# Altium PCB power_load.PcbDoc (part 1 of 2)
Units mm, origin at the board's own origin, x right, y up, seen from the top; angles counter-clockwise.
Board outline 130 x 130 mm, 2 copper layers (TOP, BOT), stack 1.67 mm thick; 142 components, 97 nets, 426 pads, 434 vias.
Unrouted connection lines stored in the file: 70.
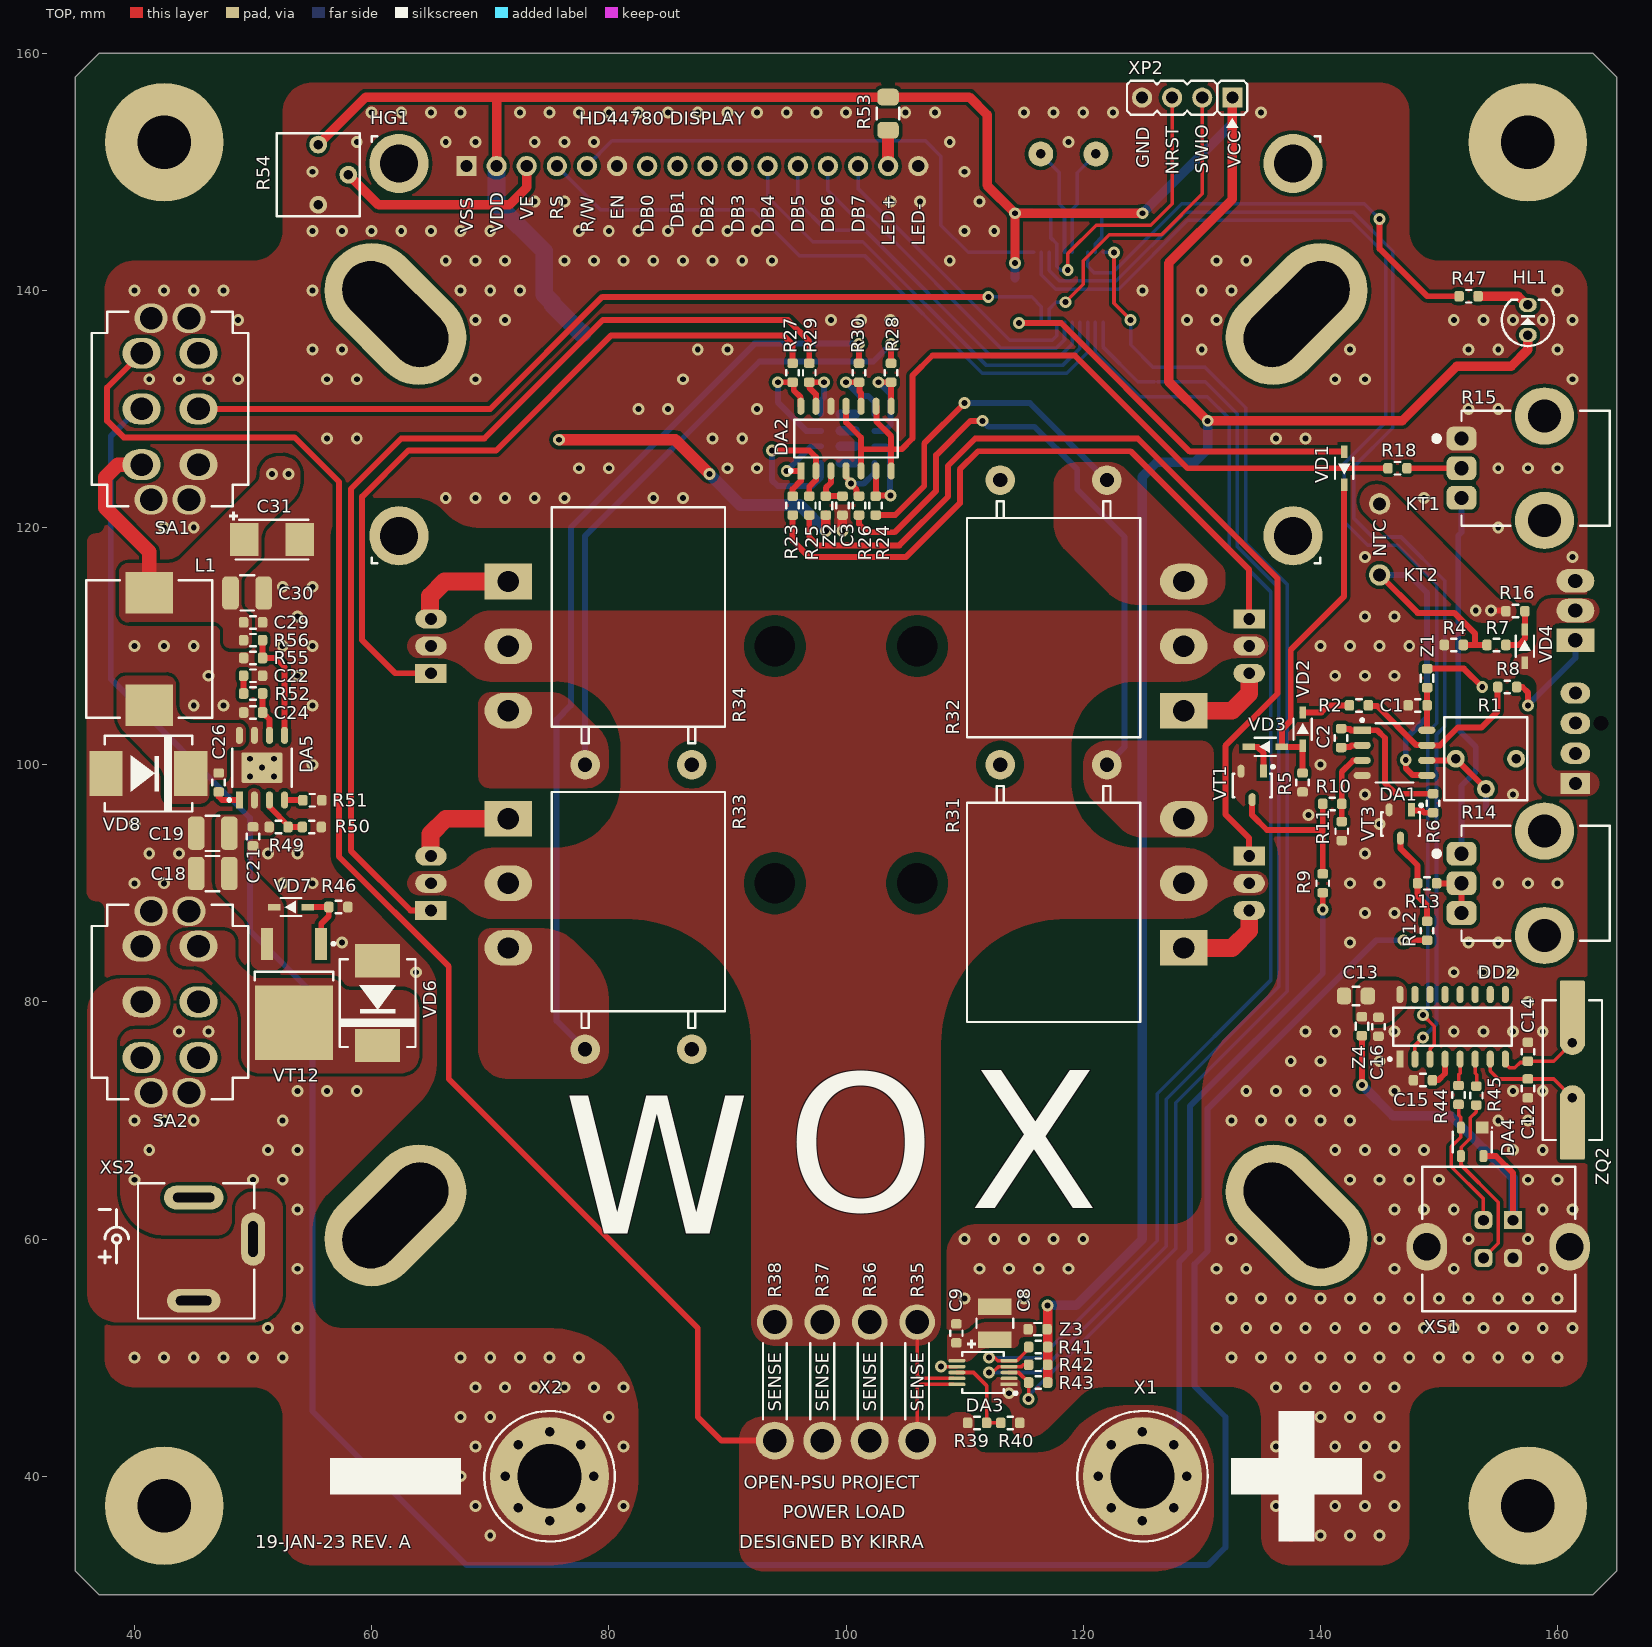
[diagram p0: TOP view]
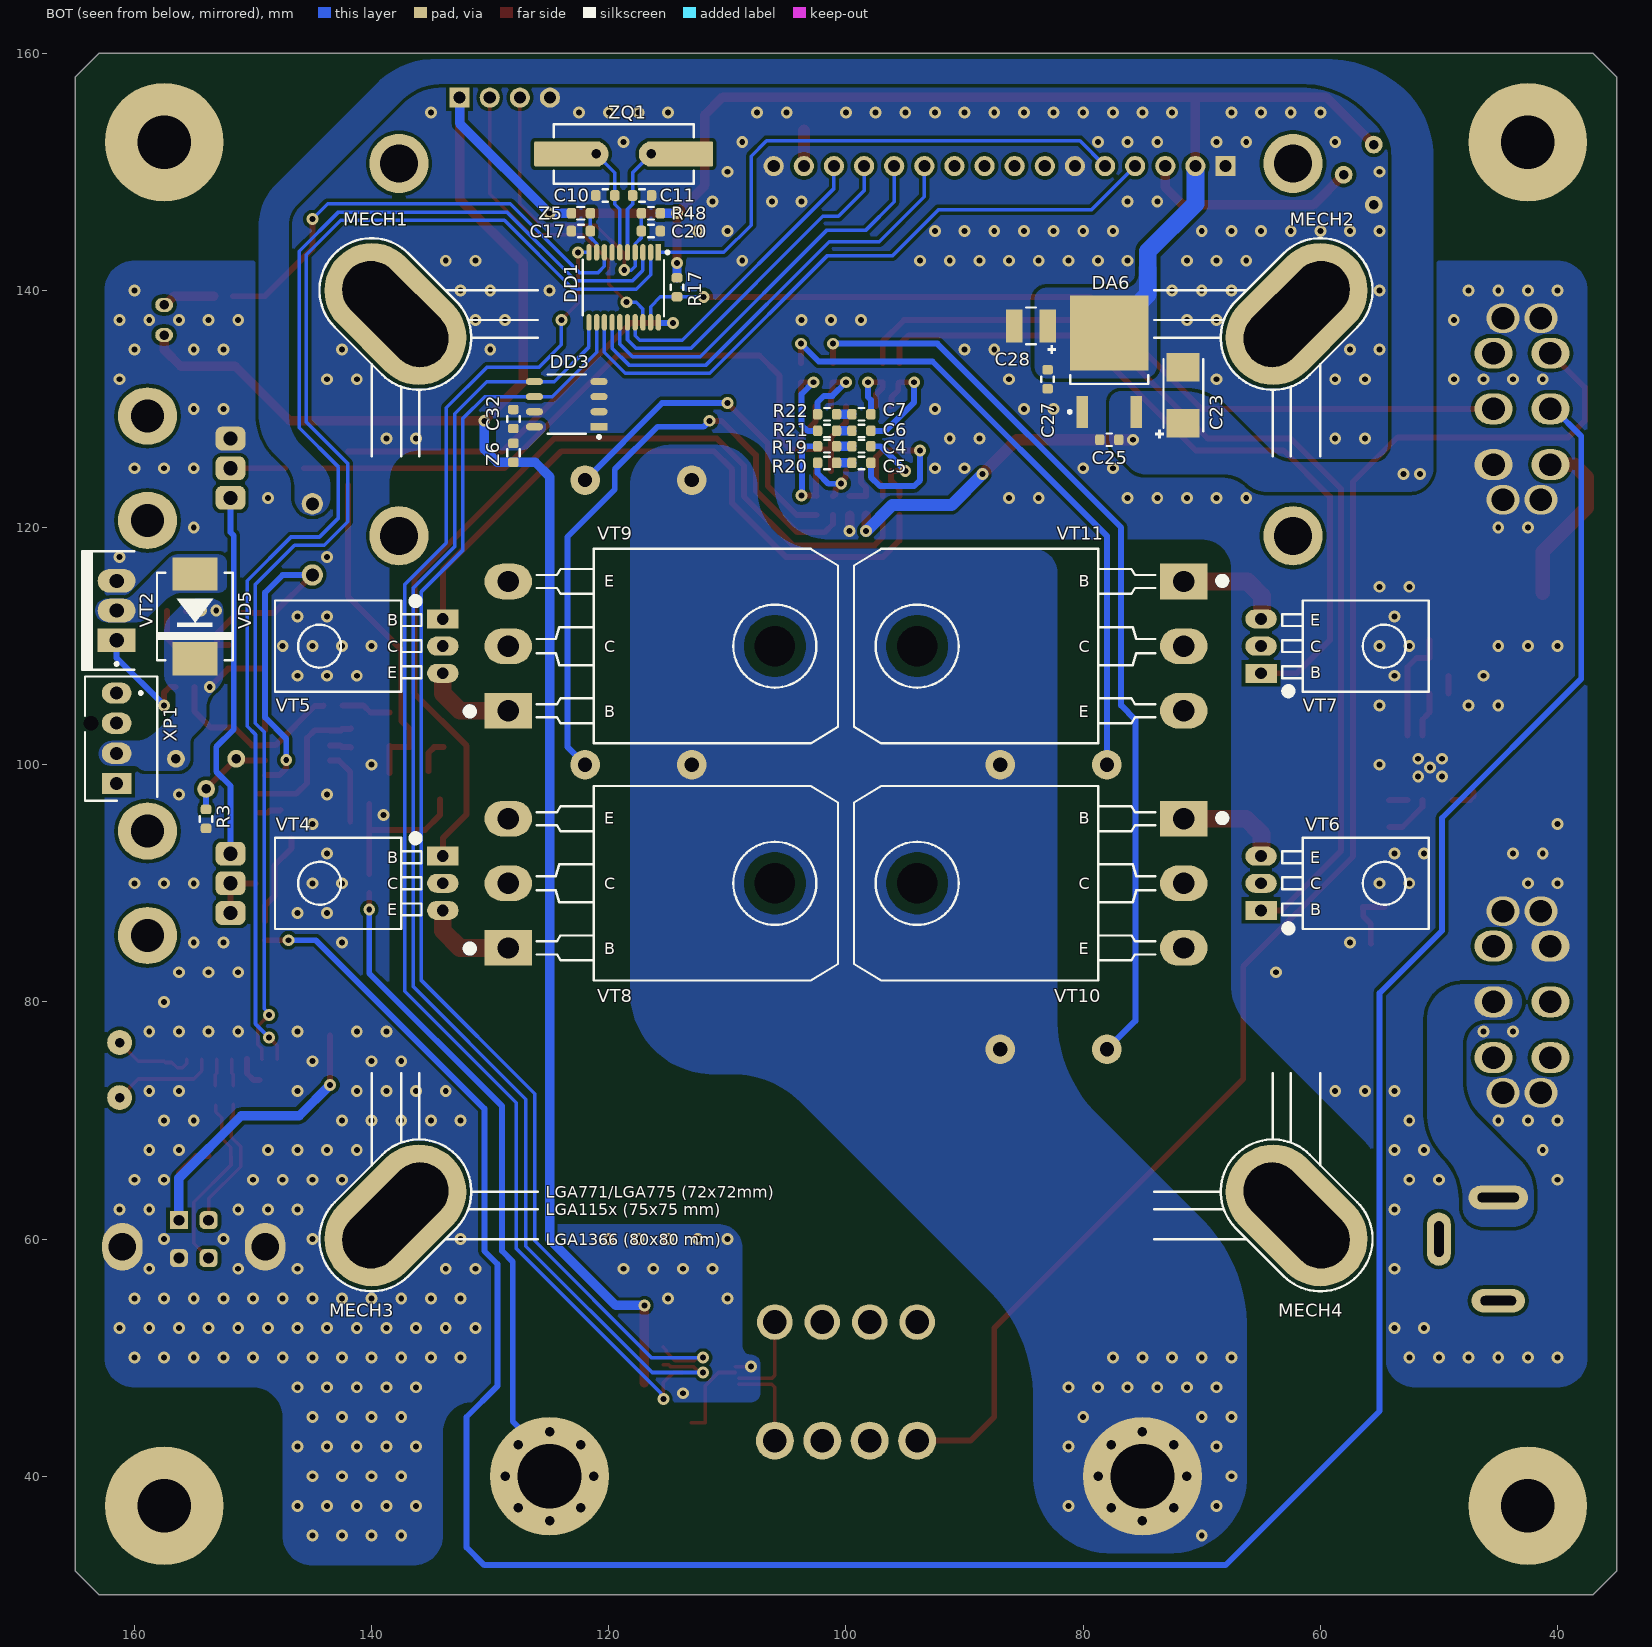
[diagram p1: BOT view, seen from below]
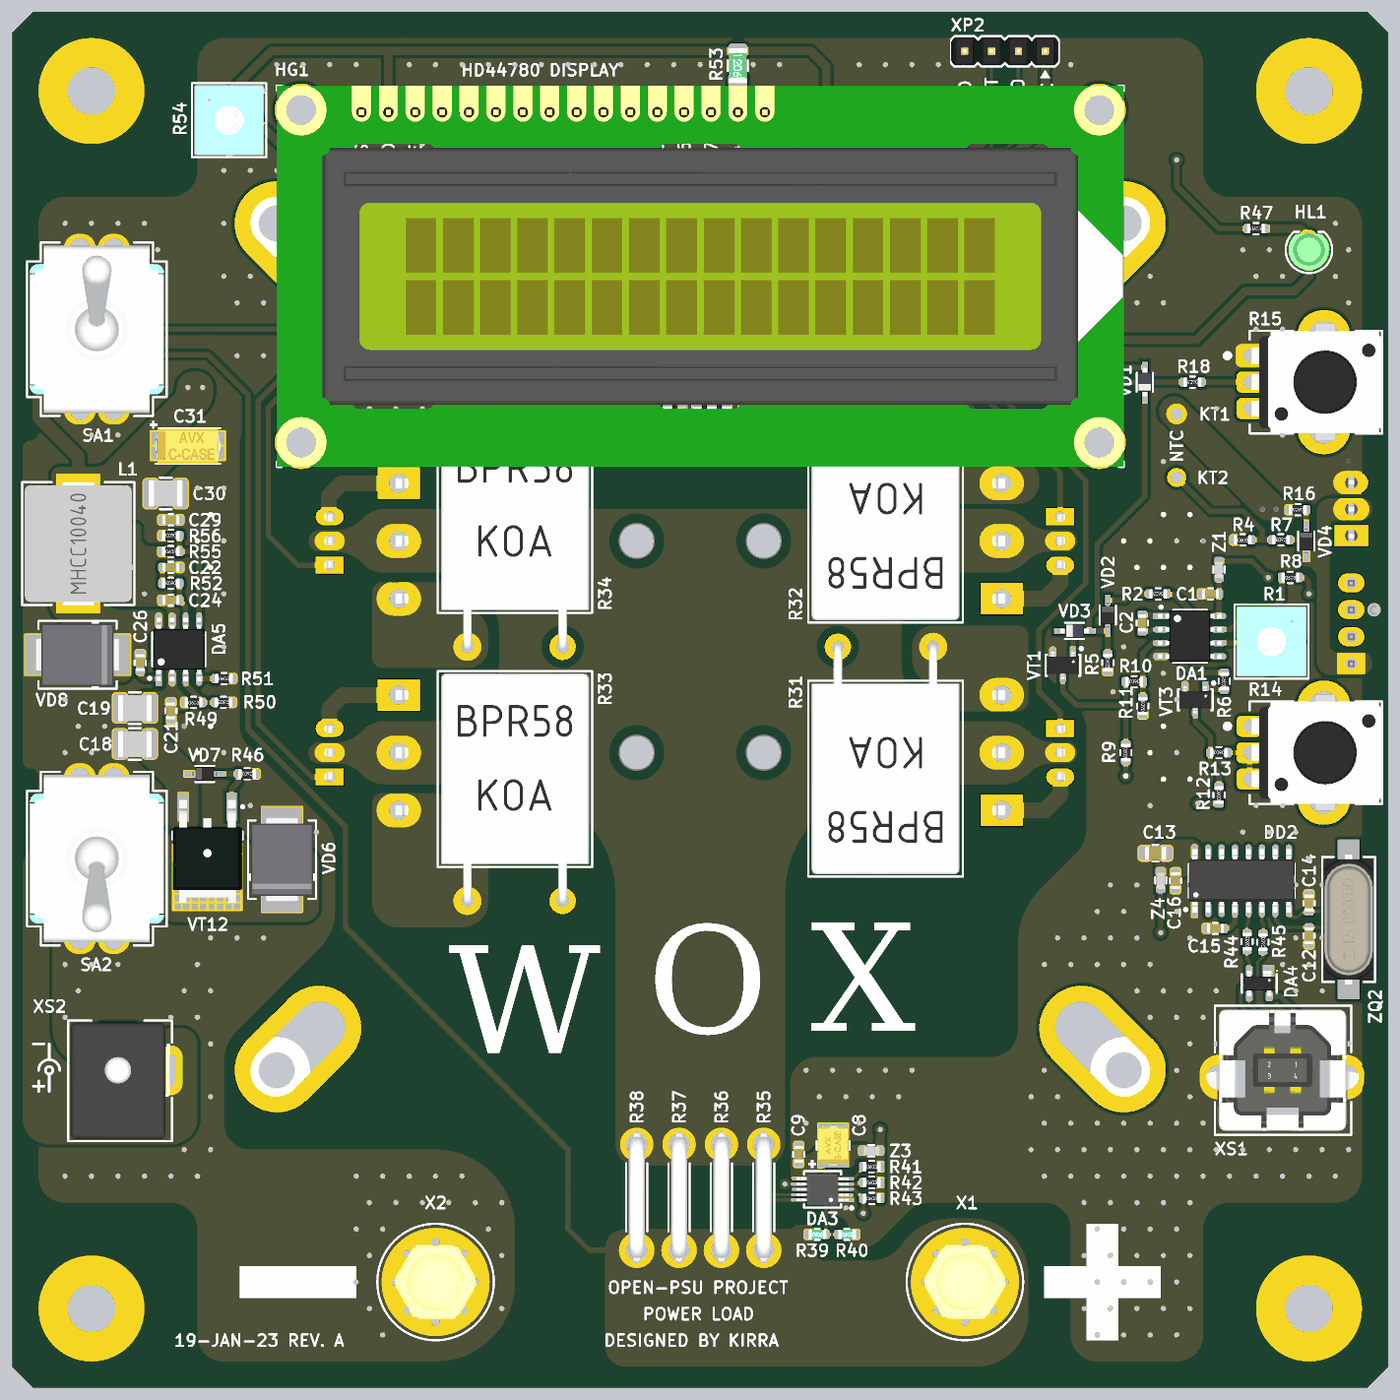
[diagram p3: 3D render of the assembled board from above, using the file's embedded part models]
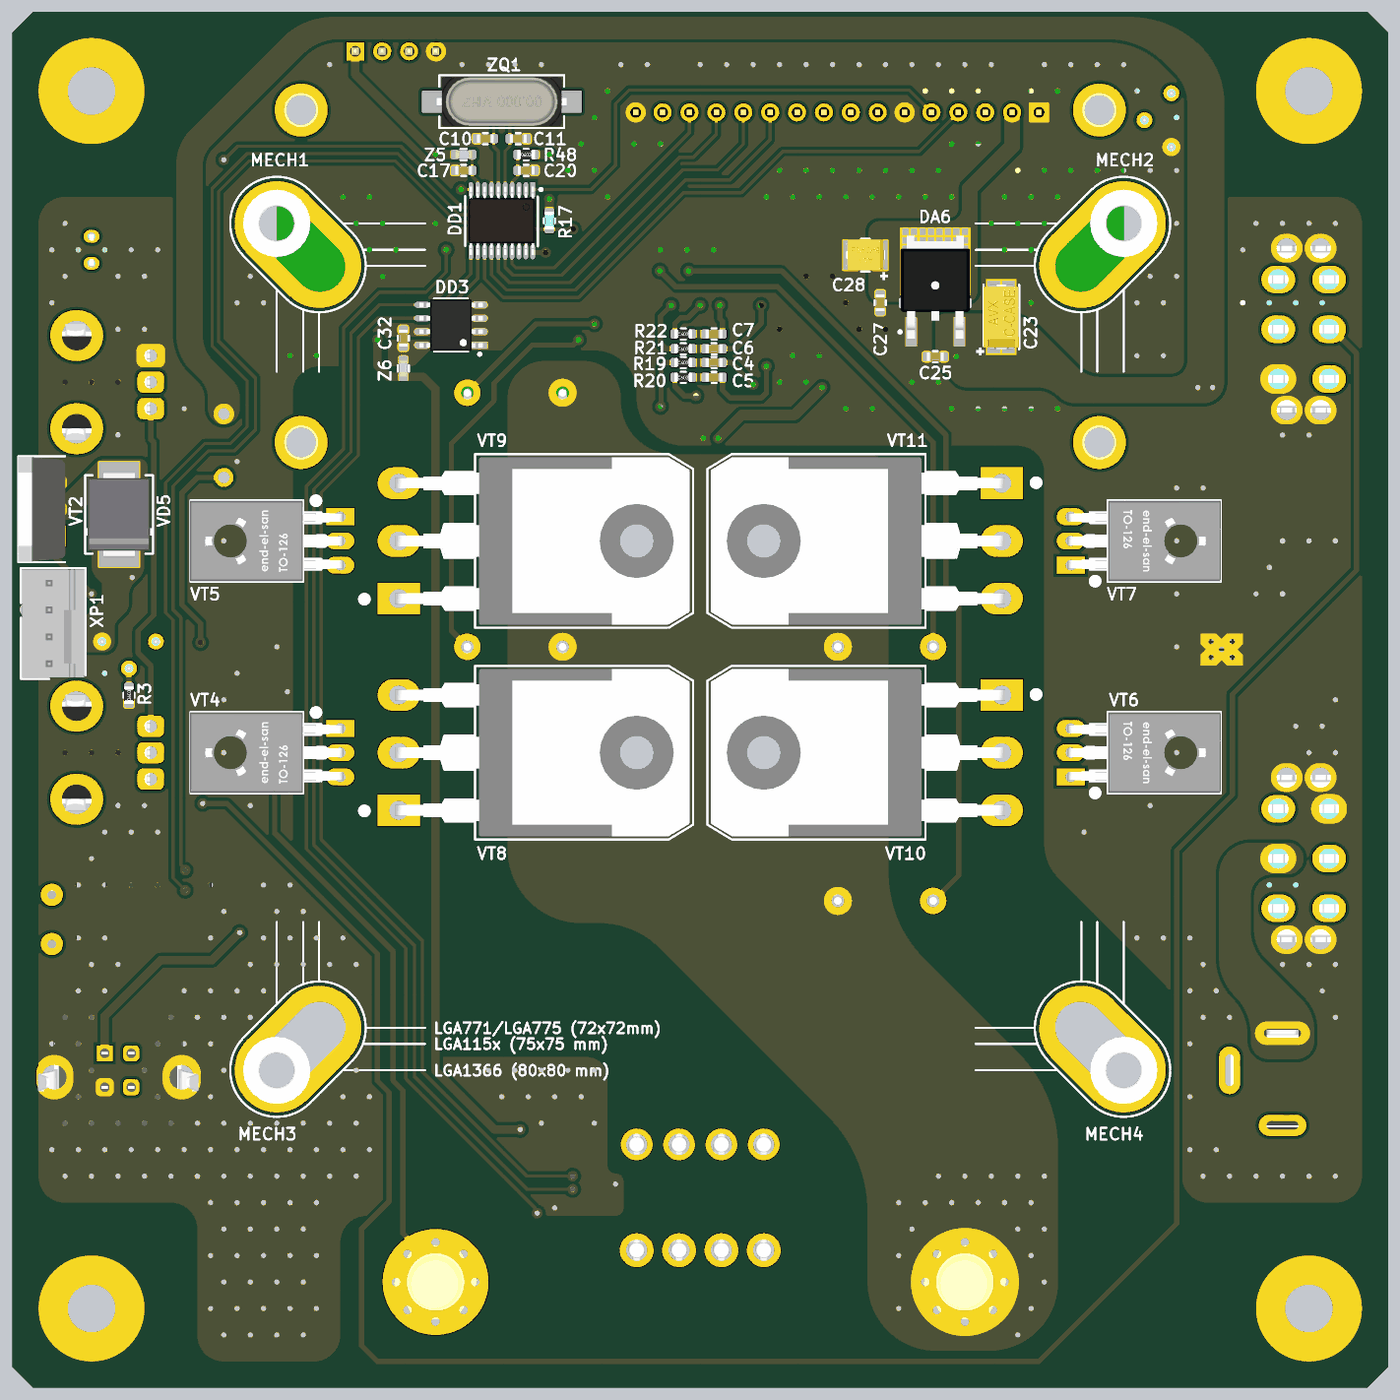
[diagram p4: 3D render of the assembled board from below, using the file's embedded part models]

## Layer stack, top to bottom
Top Solder: solder mask 0.025, Solder Resist, Dk 3.5
TOP: signal copper 0.035
Dielectric 1: dielectric 1.6, FR-4, Dk 4.8
BOT: signal copper 0.035
Bottom Solder: solder mask 0.025, Solder Resist, Dk 3.5

## Board outline
35,32 37,30 163,30 165,32 165,158 163,160 37,160 35,158

## Design rules (kind name [scope] priority, off if disabled: settings)
Clearance [All] p1: gap=0.2 ignorepadtopadclearanceinfootprint=FALSE except(0.3: Arc-Poly Track-Poly SMDPad-Poly THPad-Poly Via-Poly Fill-Poly Poly-Poly)
DiffPairsRouting [All] p1: maxlimit=0.254 minlimit=0.25 mostfreqgap=0.254 toplayer_minwidth=0.2 toplayer_maxwidth=0.381 toplayer_prefwidth=0.381 bottomlayer_minwidth=0.2 bottomlayer_maxwidth=0.381 bottomlayer_prefwidth=0.381 maxuncoupledlength=12.7
Height [All] p1: minheight=0 maxheight=40 prefheight=10
HoleSize [All] p1: absolutevalues=TRUE maxlimit=20 minlimit=0.3 maxpercent=80.000 minpercent=20.000
HoleToHoleClearance [All] p1: gap=0.25 allowstackedmicrovias=TRUE
MinimumSolderMaskSliver [All] p1: minsoldermaskwidth=0.1
PlaneClearance [All] p1: clearance=0.5
PlaneConnect [All] p1: planeconnectstyle=Direct reliefexpansion=0.508 reliefentries=4 reliefconductorwidth=0.254 reliefairgap=0.254
PolygonConnect [All] p1: connectstyle=Direct reliefconductorwidth=0.254 reliefentries=4 polygonreliefangle="90 Angle" airgapwidth=0.254
RoutingCorners [All] p1: cornerstyle=45-Degree minsetback=2.5 maxsetback=2.5
RoutingVias [All] p1: holewidth=0.5 width=1.2 viastyle="Through Hole" minholewidth=0.3 minwidth=0.7 maxholewidth=5 maxwidth=10
SilkToSilkClearance [All] p1: silktosilkclearance=0.1
SilkToSolderMaskClearance [IsPad] p1: minsilkscreentomaskgap=0.1 clearancetoexposedcopper=TRUE
SolderMaskExpansion [All] p1: expansion=0.1 istentingtop=FALSE
Width [All] p1: maxlimit=15 minlimit=0.2 preferedwidth=0.3 minimp=50.000000 maximp=50.000000 favimp=50.000000
20 further rules are at their usual default settings.

## Classes and differential pairs
component class power_load: C1 C2 C3 C4 C5 C6 C7 C8 C9 DA1 DA2 DA3 KT1 KT2 MECH1 MECH2 MECH3 MECH4 R1 R2 R3 R4 R5 R6 R7 R8 R9 R10 R11 R12 R13 R14 R15 R16 R17 R18 R19 R20 R21 R22 R23 R24 R25 R26 R27 R28 R29 R30 R31 R32 R33 R34 R35 R36 R37 R38 R39 R40 R41 R42 R43 SA1 VD1 VD2 VD3 VD4 VD5 VT1 VT2 VT3 VT4 VT5 VT6 VT7 VT8 VT9 VT10 VT11 X1 X2 XP1 Z1 Z2 Z3
component class mcu_and_input_power: C10 C11 C12 C13 C14 C15 C16 C17 C18 C19 C20 C21 C22 C23 C24 C25 C26 C27 C28 C29 C30 C31 C32 DA4 DA5 DA6 DD1 DD2 DD3 HG1 HL1 L1 R44 R45 R46 R47 R48 R49 R50 R51 R52 R53 R54 R55 R56 SA2 VD6 VD7 VD8 VT12 XP2 XS1 XS2 Z4 Z5 Z6 ZQ1 ZQ2

## Components (designator, comment, footprint, x,y, rotation, side; value= is the part's Value field where it differs from the comment)
C1 "0.1u" CAP0603 148.2,105 r180 top
C2 "0.1u" CAP0603 141.75,102.25 r270 top
C3 "0.1u" CAP0603 99.7,121.85 r270 top
C4 "0.1u" CAP0603 98.7,126.85 r0 bottom
C5 "0.1u" CAP0603 98.7,125.45 r0 bottom
C6 "0.1u" CAP0603 98.7,128.15 r0 bottom
C7 "0.1u" CAP0603 98.7,129.55 r0 bottom
C8 "100u" CAP_CASE_B 112.575,52.9 r90 top
C9 "0.1u" CAP0603 109.3,52.05 r90 top
C10 "16p" CAP0603 120.3,148 r0 bottom
C11 "16p" CAP0603 117.2,148 r180 bottom
C12 "16p" CAP0603 157.5,72.7 r90 top
C13 "10u" CAP0805-0.75 143,80.495 r180 top
C14 "16p" CAP0603 157.5,75.8 r270 top
C15 "0.1u" CAP0603 148.65,73.4 r180 top
C16 "0.1u" CAP0603 144.9,77.9 r270 top
C17 "0.1u" CAP0603 122.35,145 r180 bottom
C18 "10u" CAP1210-2.2 46.6,90.8 r0 top
C19 "10u" CAP1210-2.2 46.6,94.2 r0 top
C20 "0.1u" CAP0603 116.45,145 r0 bottom
C21 "0.1u" CAP0603 50,93.95 r90 top
C22 "750p" CAP0603 50,107.5 r180 top
C23 "33u" CAP_CASE_C 71.55,131.15 r90 bottom
C24 "6.8p" CAP0603 50,104.4 r0 top
C25 "0.1u" CAP0603 77.8,127.4 r180 bottom
C26 "0.1u" CAP0603 47.1,98.5 r270 top
C27 "0.1u" CAP0603 83,132.5 r90 bottom
C28 "100u" CAP_CASE_B 84.4,137.025 r0 bottom
C29 "0.1u" CAP0603 50,112 r180 top
C30 "10u" CAP1210-2.2 49.5,114.5 r180 top
C31 "33u" CAP_CASE_C 51.6,118.975 r0 top
C32 "0.1u" CAP0603 128.05,129.15 r90 bottom
DA1 "LM358M/NOPB" SOIC-8 146.25,101 r0 top
DA2 "LM339DR" SOIC-14 100,127.5 r90 top
DA3 "INA226AIDGS" VSSOP-10 111.55,48.75 r180 top
DA4 "PRTR5V0U2X" SOT143 152.8,68.2 r270 top
DA5 "TPS54360DDA" SOIC-8EP 50.75,99.75 r90 top
DA6 "LD1117DT50CTR" TO-252-3 77.8,133.95 r90 bottom
DD1 "CH32V003F4P6" TSSOP-20 118.75,140.25 r270 bottom
DD2 "CH340G" SOIC-16 151.15,77.9 r90 top
DD3 "24LC02B-I/SN" SOIC-8 123.55,130.4 r0 bottom
HG1 "WH-1602" WH1602 100,135 r0 top locked
HL1 "GNL-3012GD" GNL-3012GD 157.5,137.5 r270 top
KT1 "TEST_PAD" TEST_PAD_HOLE1.1x1.8 145,122 r90 top net-tie
KT2 "TEST_PAD" TEST_PAD_HOLE1.1x1.8 145,116 r180 top net-tie
L1 "MHCC10040-8R2M-R7" MHCC10040 41.25,109.75 r90 top
MECH1 "1612-2" 1612-2_SLOT 140,140 r270 bottom locked
MECH2 "1612-2" 1612-2_SLOT 60,140 r0 bottom locked
MECH3 "1612-2" 1612-2_SLOT 140,60 r180 bottom locked
MECH4 "1612-2" 1612-2_SLOT 60,60 r90 bottom locked
R1 "3362P-1-103LF" 3362P 153.96,100.5 r0 top value=10k
R2 "1k" RES0603B 143.25,105 r180 top
R3 "100k" RES0603B 153.96,95.43 r90 bottom
R4 "100k" RES0603B 151.25,110.1 r0 top
R5 "2k" RES0603B 138.5,98.5 r270 top
R6 "2k" RES0603B 149.5,96.75 r270 top
R7 "100k" RES0603B 154.85,110.1 r180 top
R8 "2k" RES0603B 155.75,106.55 r0 top
R9 "1k" RES0603B 140.2,90 r270 top
R10 "470k" RES0603B 141,96.7 r180 top
R11 "10k" RES0603B 141.8,94.4 r90 top
R12 "220k" RES0603B 149,86 r270 top
R13 "220k" RES0603B 149,90 r180 top
R14 "PTV09A-4225F-B102" PTV09A-4225F 157.5,90 r270 top locked value=1k
R15 "PTV09A-4225F-B103" PTV09A-4225F 157.5,125 r270 top locked value=10k
R16 "1k" RES0603B 156.45,112.95 r180 top
R17 "10k" RES0603C 114.25,140.25 r90 bottom
R18 "1k" RES0603B 146.5,125 r180 top
R19 "1k" RES0603B 101.6,126.85 r180 bottom
R20 "1k" RES0603B 101.6,125.45 r180 bottom
R21 "1k" RES0603B 101.6,128.15 r180 bottom
R22 "1k" RES0603B 101.6,129.55 r180 bottom
R23 "1k" RES0603B 95.5,121.85 r270 top
R24 "200" RES0603B 102.5,121.85 r270 top
R25 "1k" RES0603B 96.9,121.85 r270 top
R26 "200" RES0603B 101.1,121.85 r270 top
R27 "1k" RES0603B 95.5,133.05 r90 top
R28 "200" RES0603B 103.8,133.05 r90 top
R29 "1k" RES0603B 96.9,133.05 r90 top
R30 "200" RES0603B 101.1,133.05 r90 top
R31 "0.1" BPR58_HORIZONTAL 117.5,100 r0 top locked
R32 "0.1" BPR58_HORIZONTAL 117.5,124 r0 top locked
R33 "0.1" BPR58_HORIZONTAL 82.5,76 r180 top locked
R34 "0.1" BPR58_HORIZONTAL 82.5,100 r180 top locked
R35 "0.04" CURRENT_SENSE_10x11mm 106,48 r270 top
R36 "0.04" CURRENT_SENSE_10x11mm 102,48 r270 top
R37 "0.04" CURRENT_SENSE_10x11mm 98,48 r270 top
R38 "0.04" CURRENT_SENSE_10x11mm 94,48 r270 top
R39 "10k" RES0603C 111.05,44.5 r0 top
R40 "10k" RES0603C 113.85,44.5 r0 top
R41 "4.7k" RES0603B 116.2,50.9 r0 top
R42 "4.7k" RES0603B 116.2,49.4 r0 top
R43 "4.7k" RES0603B 116.2,47.9 r0 top
R44 "27" RES0603B 151.65,72.15 r90 top
R45 "27" RES0603B 153.15,72.1 r90 top
R46 "47k" RES0603B 57.2,88 r180 top
R47 "1k" RES0603B 152.5,139.5 r0 top
R48 "10k" RES0603B 116.45,146.5 r180 bottom
R49 "100k" RES0603B 52.15,94.75 r0 top
R50 "10k" RES0603B 54.96,94.75 r180 top
R51 "82k" RES0603B 55,97 r0 top
R52 "56k" RES0603B 50,106 r180 top
R53 "100" RES1206C 103.55,154.9 r270 top
R54 "3362P-1-102LF" 3362P 55.5,149.75 r90 top value=1k
R55 "10k" RES0603B 50,109 r0 top
R56 "140k" RES0603B 50,110.5 r180 top
SA1 "MTS-202-A2T" MTS-202-A2T 43,130 r90 top
SA2 "MTS-202-A2T" MTS-202-A2T 43,80 r270 top
VD1 "1N4448WS" SOD-323F 142,125 r90 top
VD2 "BZX384-C5V1" SOD-323 138.5,103 r270 top
VD3 "1N4448WS" SOD-323F 135.35,101.5 r0 top
VD4 "BZX384-C5V1" SOD-323 157.25,110 r270 top
VD5 "B560C-13-F" DO-214AB 154.9,112.5 r270 bottom
VD6 "SMCJ36A-E3/57T" DO-214AB 60.5,79.9 r270 top
VD7 "BZX384-C9V1" SOD-323 53.2,88 r0 top
VD8 "B560C-13-F" DO-214AB 41.182,99.25 r0 top
VT1 "BC846B,215" SOT23-3 134.25,98.25 r270 top